# KiCad board P5.kicad_pcb
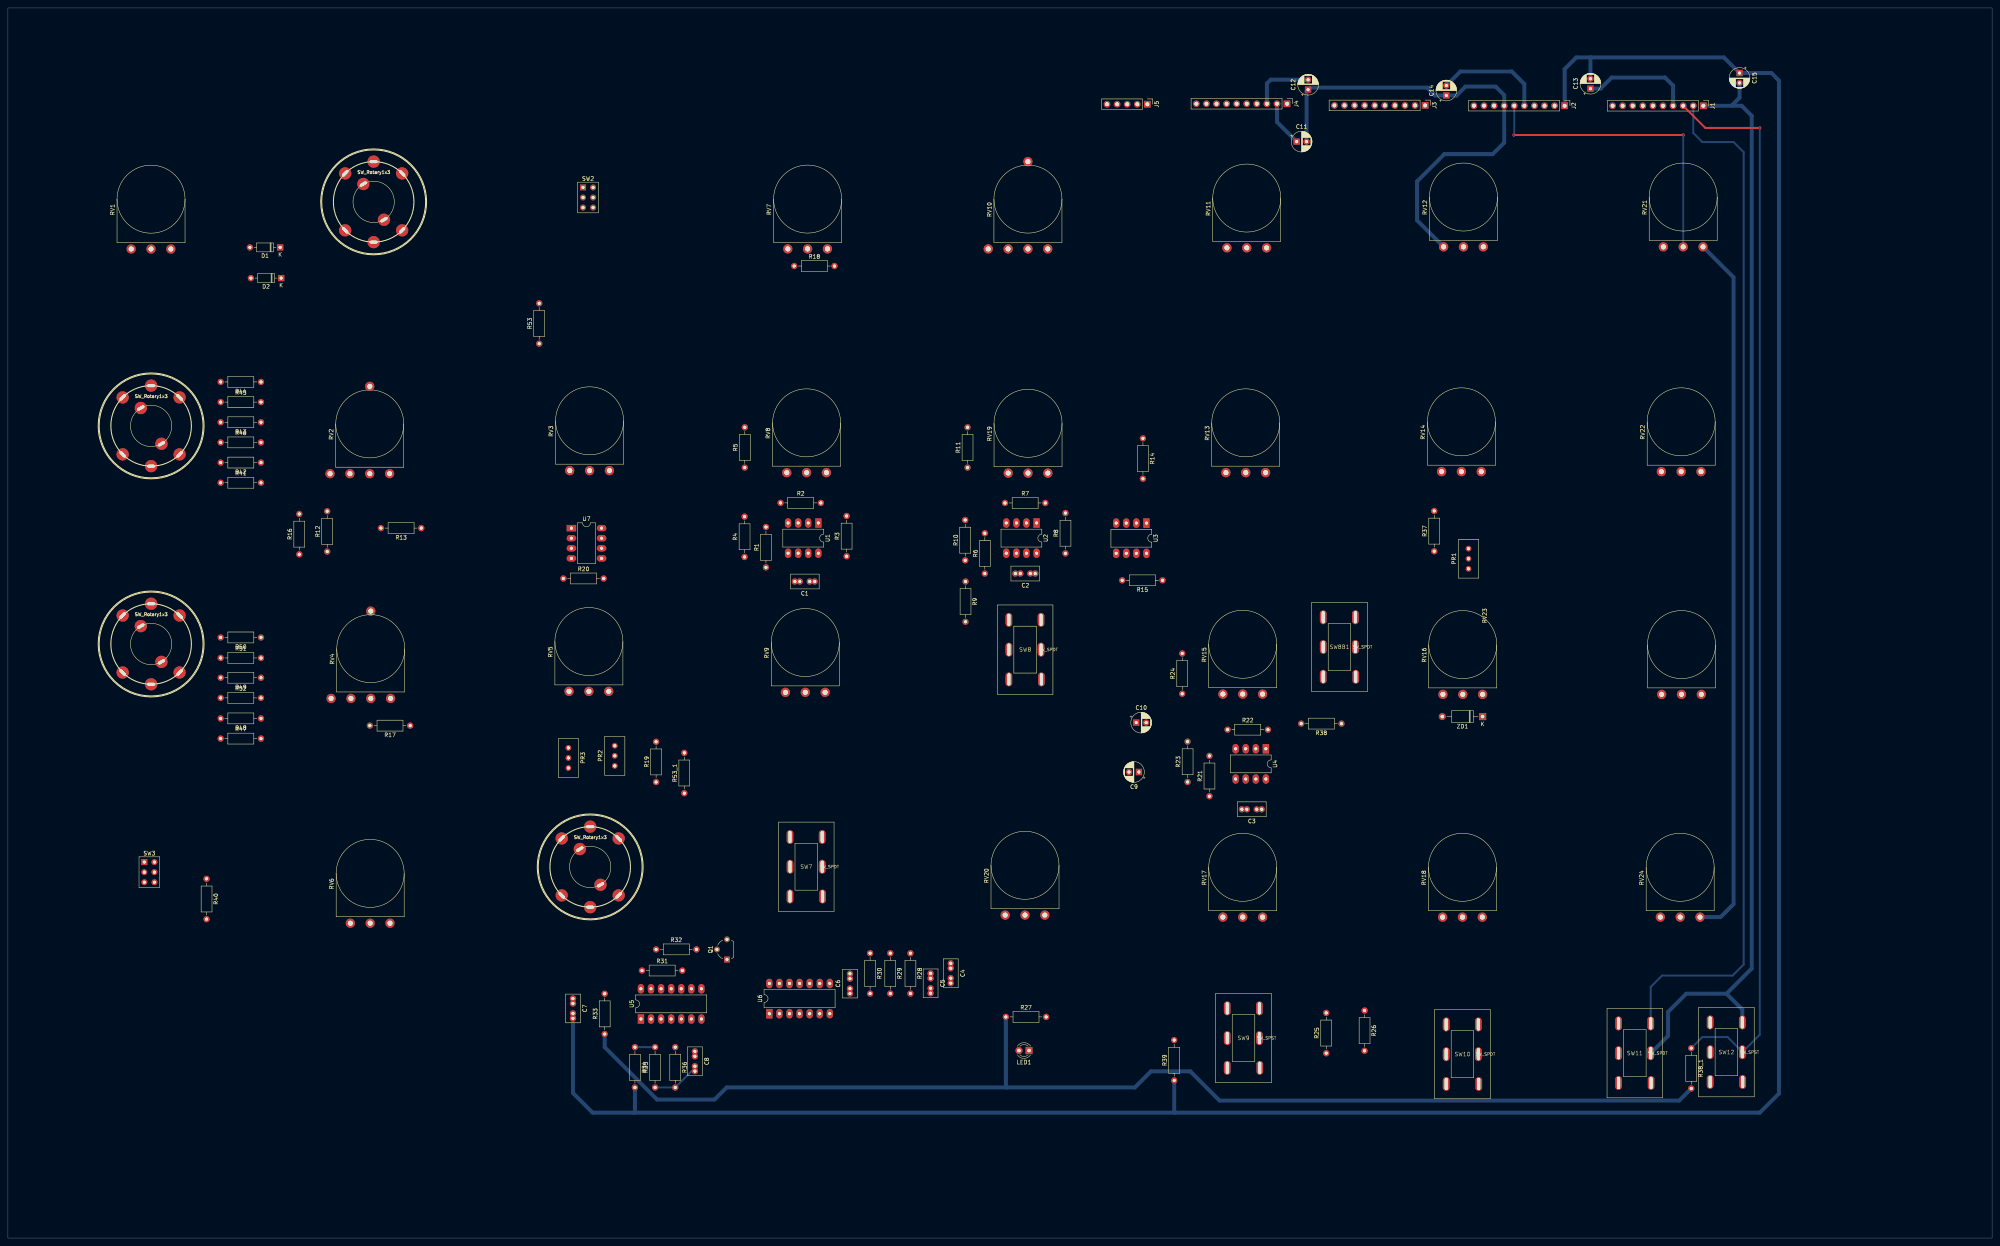
[diagram p0: board, top side]
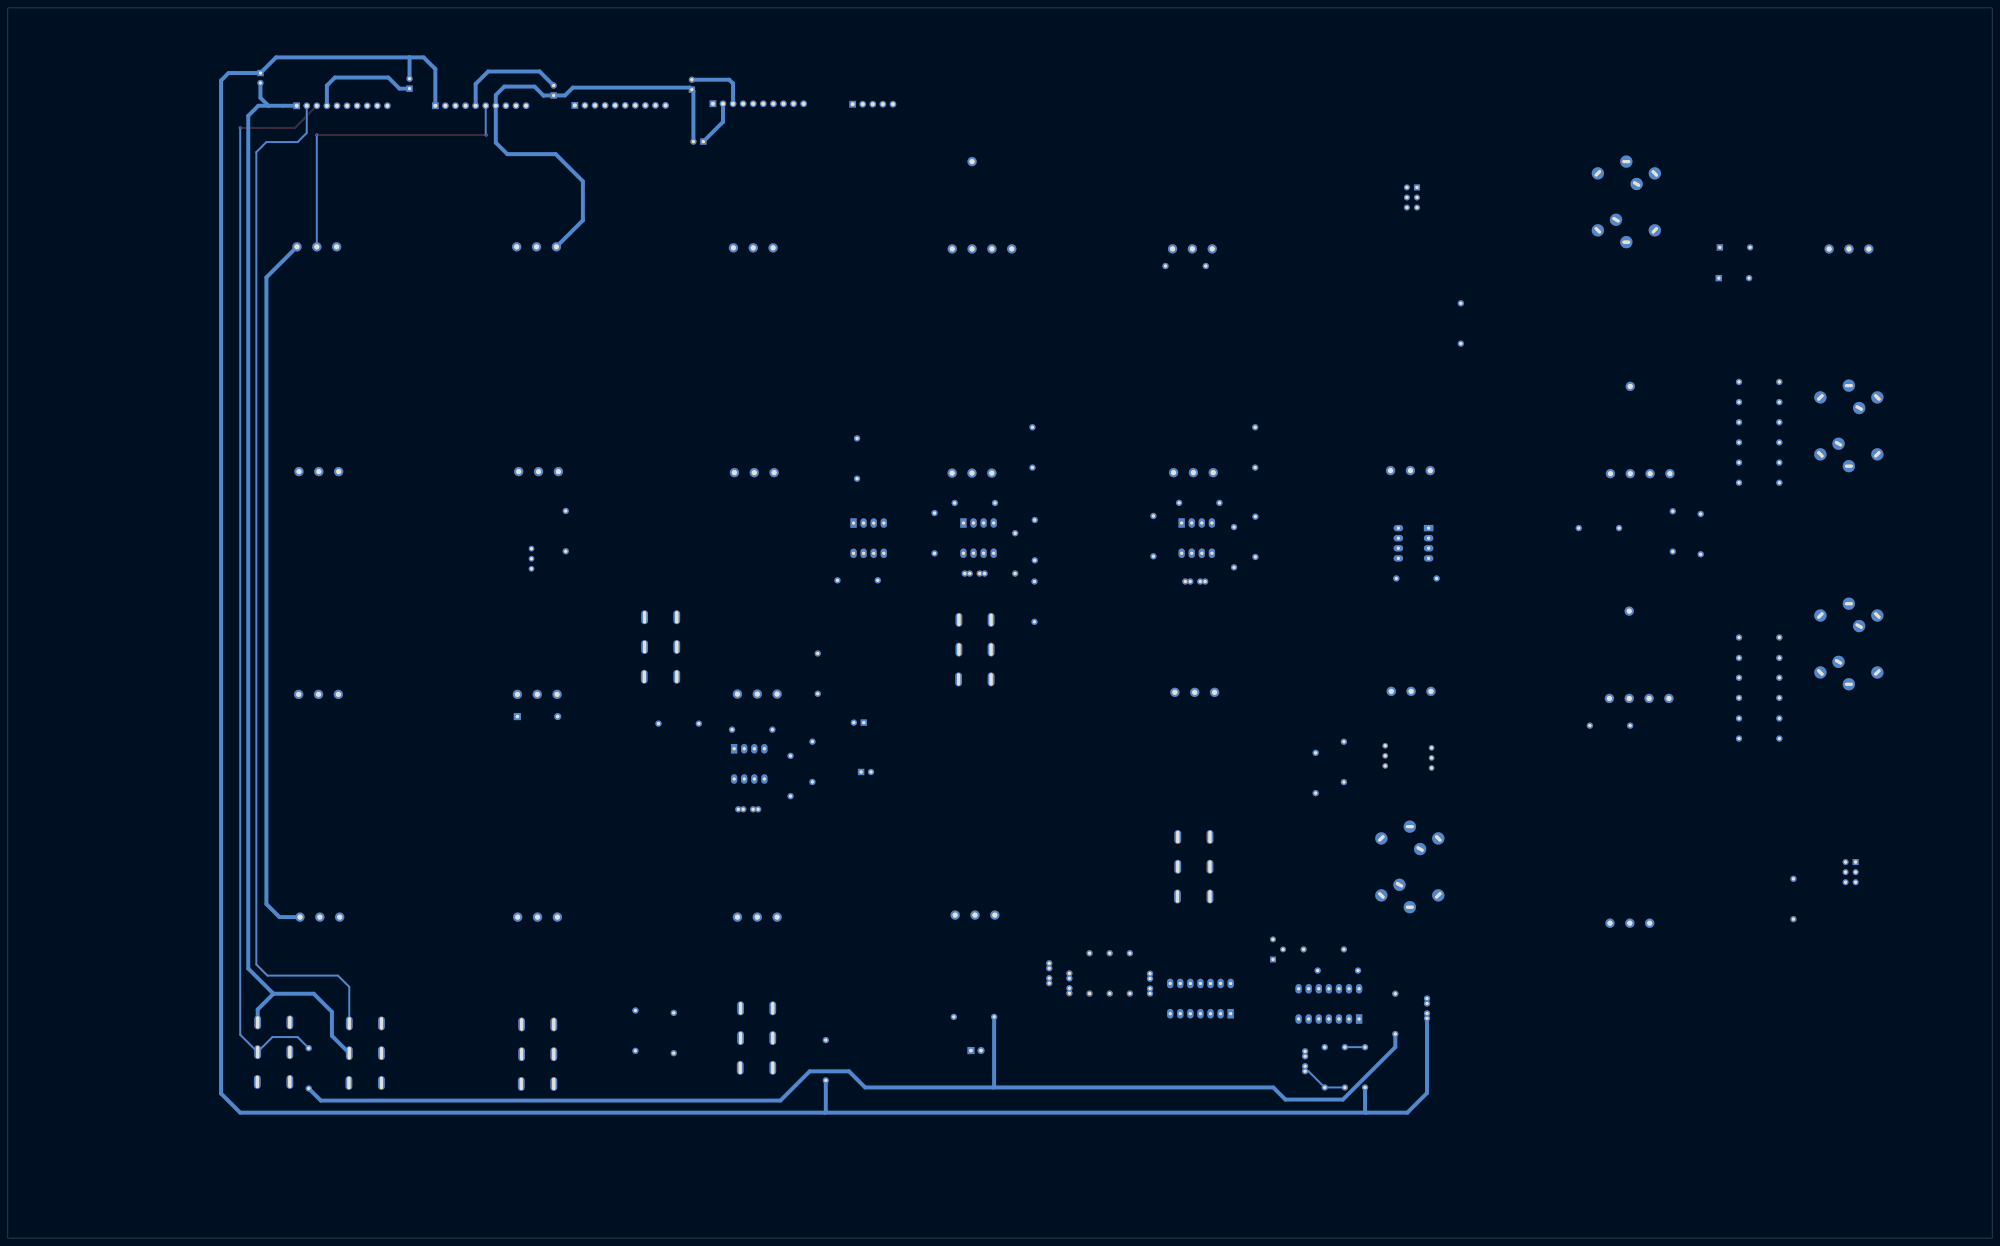
[diagram p1: board, bottom side, seen from below]

Outline 500 x 310 mm; copper layers: Top, Bottom (plane). Coordinates in mm from the lower left corner of the outline.
Outline path: 0,310 0,0 500,0 500,310 0,310

## Placement (name value [footprint] x y rotation side)
C1  150nF  [C_Rect_L7.0mm_W3.5mm_P2.50mm_P5.00mm]  203.3 165.46 180 top
C2  150nF  [C_Rect_L7.0mm_W3.5mm_P2.50mm_P5.00mm]  258.88 167.47 180 top
C3  150nF  [C_Rect_L7.0mm_W3.5mm_P2.50mm_P5.00mm]  315.95 108.05 180 top
C4  10nF  [C_Rect_L7.0mm_W3.5mm_P2.50mm_P5.00mm]  237.59 69.24 270 top
C5  330nF  [C_Rect_L7.0mm_W3.5mm_P2.50mm_P5.00mm]  232.51 66.7 270 top
C6  10uF  [C_Rect_L7.0mm_W3.5mm_P2.50mm_P5.00mm]  212.19 61.62 90 top
C7  10uF  [C_Rect_L7.0mm_W3.5mm_P2.50mm_P5.00mm]  142.39 60.37 270 top
C8  1nF  [C_Rect_L7.0mm_W3.5mm_P2.50mm_P5.00mm]  173.11 47.05 270 top
C9  10uF  [CP_Radial_D5.0mm_P2.50mm]  285 117.45 180 top
C10  10uF  [CP_Radial_D5.0mm_P2.50mm]  284.33 129.9 0 top
C11  10uF  [CP_Radial_D5.0mm_P2.50mm]  324.76 276.31 0 top
C12  10uF  [CP_Radial_D5.0mm_P2.50mm]  327.64 289.41 90 top
C13  10uF  [CP_Radial_D5.0mm_P2.50mm]  398.8 289.66 90 top
C14  10uF  [CP_Radial_D5.0mm_P2.50mm]  362.47 287.94 90 top
C15  10uF  [CP_Radial_D5.0mm_P2.50mm]  436.37 293.59 270 top
D1  1N4148  [D_DO-35_SOD27_P7.62mm_Horizontal]  68.6 249.66 180 top
D2  1N4148  [D_DO-35_SOD27_P7.62mm_Horizontal]  68.85 241.91 180 top
J1  Conn_01x10  [PinHeader_1x10_P2.54mm_Vertical]  427.24 285.35 270 top
J2  Conn_01x10  [PinHeader_1x10_P2.54mm_Vertical]  392.29 285.36 270 top
J3  Conn_01x10  [PinHeader_1x10_P2.54mm_Vertical]  357.13 285.44 270 top
J4  Conn_01x10  [PinHeader_1x10_P2.54mm_Vertical]  322.34 285.85 270 top
J5  Conn_01x05  [PinHeader_1x05_P2.54mm_Vertical]  287.13 285.74 270 top
LED1  LED  [LED_D3.0mm]  257.32 47.26 180 top
PR1  10k  [Potentiometer_Bourns_3296W_Vertical]  368.06 173.74 90 top
PR2  100k  [Potentiometer_Bourns_3296W_Vertical]  152.92 124.07 90 top
PR3  100k  [Potentiometer_Bourns_3296W_Vertical]  141.24 118.46 270 top
Q1  BC1  [TO-92L_Wide]  181.21 70.2 90 top
R1  47K  [R_Axial_DIN0207_L6.3mm_D2.5mm_P10.16mm_Horizontal]  191.02 169.01 90 top
R2  100k  [R_Axial_DIN0207_L6.3mm_D2.5mm_P10.16mm_Horizontal]  194.7 185.27 0 top
R3  10k  [R_Axial_DIN0207_L6.3mm_D2.5mm_P10.16mm_Horizontal]  211.34 171.81 90 top
R4  56K  [R_Axial_DIN0207_L6.3mm_D2.5mm_P10.16mm_Horizontal]  185.63 171.64 90 top
R5  100R  [R_Axial_DIN0207_L6.3mm_D2.5mm_P10.16mm_Horizontal]  185.69 194.16 90 top
R6  47K  [R_Axial_DIN0207_L6.3mm_D2.5mm_P10.16mm_Horizontal]  246.18 167.47 90 top
R7  100k  [R_Axial_DIN0207_L6.3mm_D2.5mm_P10.16mm_Horizontal]  251.26 185.25 0 top
R8  22k  [R_Axial_DIN0207_L6.3mm_D2.5mm_P10.16mm_Horizontal]  266.5 172.55 90 top
R9  10k  [R_Axial_DIN0207_L6.3mm_D2.5mm_P10.16mm_Horizontal]  241.32 165.46 270 top
R10  270k  [R_Axial_DIN0207_L6.3mm_D2.5mm_P10.16mm_Horizontal]  241.24 170.79 90 top
R11  100R  [R_Axial_DIN0207_L6.3mm_D2.5mm_P10.16mm_Horizontal]  241.82 194.16 90 top
R12  56k  [R_Axial_DIN0207_L6.3mm_D2.5mm_P10.16mm_Horizontal]  80.45 173 90 top
R13  22k  [R_Axial_DIN0207_L6.3mm_D2.5mm_P10.16mm_Horizontal]  104.16 178.92 180 top
R14  22k  [R_Axial_DIN0207_L6.3mm_D2.5mm_P10.16mm_Horizontal]  286.02 201.53 270 top
R15  3k9  [R_Axial_DIN0207_L6.3mm_D2.5mm_P10.16mm_Horizontal]  290.96 165.75 180 top
R16  56k  [R_Axial_DIN0207_L6.3mm_D2.5mm_P10.16mm_Horizontal]  73.42 172.32 90 top
R17  22k  [R_Axial_DIN0207_L6.3mm_D2.5mm_P10.16mm_Horizontal]  101.36 129.14 180 top
R18  270k  [R_Axial_DIN0207_L6.3mm_D2.5mm_P10.16mm_Horizontal]  198.14 244.96 0 top
R19  100k  [R_Axial_DIN0207_L6.3mm_D2.5mm_P10.16mm_Horizontal]  163.34 114.91 90 top
R20  10k  [R_Axial_DIN0207_L6.3mm_D2.5mm_P10.16mm_Horizontal]  139.97 166.22 0 top
R21  47K  [R_Axial_DIN0207_L6.3mm_D2.5mm_P10.16mm_Horizontal]  302.78 111.36 90 top
R22  100k  [R_Axial_DIN0207_L6.3mm_D2.5mm_P10.16mm_Horizontal]  307.36 128.12 0 top
R23  270k  [R_Axial_DIN0207_L6.3mm_D2.5mm_P10.16mm_Horizontal]  297.27 114.94 90 top
R24  100R  [R_Axial_DIN0207_L6.3mm_D2.5mm_P10.16mm_Horizontal]  295.93 137.17 90 top
R25  47R  [R_Axial_DIN0207_L6.3mm_D2.5mm_P10.16mm_Horizontal]  332.21 46.59 90 top
R26  47R  [R_Axial_DIN0207_L6.3mm_D2.5mm_P10.16mm_Horizontal]  341.87 57.35 270 top
R27  1k5  [R_Axial_DIN0207_L6.3mm_D2.5mm_P10.16mm_Horizontal]  251.48 55.73 0 top
R28  1k  [R_Axial_DIN0207_L6.3mm_D2.5mm_P10.16mm_Horizontal]  227.43 71.78 270 top
R29  100k  [R_Axial_DIN0207_L6.3mm_D2.5mm_P10.16mm_Horizontal]  222.35 71.78 270 top
R30  10k  [R_Axial_DIN0207_L6.3mm_D2.5mm_P10.16mm_Horizontal]  217.27 71.78 270 top
R31  4k7  [R_Axial_DIN0207_L6.3mm_D2.5mm_P10.16mm_Horizontal]  159.78 67.41 0 top
R32  22k  [R_Axial_DIN0207_L6.3mm_D2.5mm_P10.16mm_Horizontal]  163.34 72.75 0 top
R33  100R  [R_Axial_DIN0207_L6.3mm_D2.5mm_P10.16mm_Horizontal]  150.38 51.41 90 top
R34  2M2  [R_Axial_DIN0207_L6.3mm_D2.5mm_P10.16mm_Horizontal]  158 48.11 270 top
R35  150k  [R_Axial_DIN0207_L6.3mm_D2.5mm_P10.16mm_Horizontal]  163.08 37.95 90 top
R36  12k  [R_Axial_DIN0207_L6.3mm_D2.5mm_P10.16mm_Horizontal]  168.16 48.11 270 top
R37  6k8  [R_Axial_DIN0207_L6.3mm_D2.5mm_P10.16mm_Horizontal]  359.43 173.08 90 top
R38  10k  [R_Axial_DIN0207_L6.3mm_D2.5mm_P10.16mm_Horizontal]  336.06 129.64 180 top
R38_1  100k  [R_Axial_DIN0207_L6.3mm_D2.5mm_P10.16mm_Horizontal]  424.2 47.86 270 top
R39  47k  [R_Axial_DIN0207_L6.3mm_D2.5mm_P10.16mm_Horizontal]  293.89 39.73 90 top
R40  100k  [R_Axial_DIN0207_L6.3mm_D2.5mm_P10.16mm_Horizontal]  50.05 90.53 270 top
R41  100k  [R_Axial_DIN0207_L6.3mm_D2.5mm_P10.16mm_Horizontal]  53.61 190.35 0 top
R42  100k  [R_Axial_DIN0207_L6.3mm_D2.5mm_P10.16mm_Horizontal]  63.77 195.43 180 top
R43  100k  [R_Axial_DIN0207_L6.3mm_D2.5mm_P10.16mm_Horizontal]  63.77 205.59 180 top
R44  100k  [R_Axial_DIN0207_L6.3mm_D2.5mm_P10.16mm_Horizontal]  63.77 215.75 180 top
R45  100k  [R_Axial_DIN0207_L6.3mm_D2.5mm_P10.16mm_Horizontal]  53.61 210.67 0 top
R46  100k  [R_Axial_DIN0207_L6.3mm_D2.5mm_P10.16mm_Horizontal]  53.61 200.51 0 top
R47  100k  [R_Axial_DIN0207_L6.3mm_D2.5mm_P10.16mm_Horizontal]  53.61 125.87 0 top
R48  100k  [R_Axial_DIN0207_L6.3mm_D2.5mm_P10.16mm_Horizontal]  63.77 130.95 180 top
R49  100k  [R_Axial_DIN0207_L6.3mm_D2.5mm_P10.16mm_Horizontal]  63.77 141.2 180 top
R50  100k  [R_Axial_DIN0207_L6.3mm_D2.5mm_P10.16mm_Horizontal]  63.77 151.36 180 top
R51  100k  [R_Axial_DIN0207_L6.3mm_D2.5mm_P10.16mm_Horizontal]  53.61 146.19 0 top
R52  100k  [R_Axial_DIN0207_L6.3mm_D2.5mm_P10.16mm_Horizontal]  53.61 136.12 0 top
R53  47k/47R  [R_Axial_DIN0207_L6.3mm_D2.5mm_P10.16mm_Horizontal]  133.87 225.4 90 top
R53_1  100k  [R_Axial_DIN0207_L6.3mm_D2.5mm_P10.16mm_Horizontal]  170.45 112.12 90 top
RV1  10K  [Potentiometer_Omeg_PC16BU_Vertical]  41.06 249.25 90 top
RV2  22k  [Potentiometer_Omeg_PC16BU_Vertical_Tapped]  96.18 192.63 90 top
RV3  10K  [Potentiometer_Omeg_PC16BU_Vertical]  151.57 193.4 90 top
RV4  22k  [Potentiometer_Omeg_PC16BU_Vertical_Tapped]  96.43 135.99 90 top
RV5  10K  [Potentiometer_Omeg_PC16BU_Vertical]  151.4 137.77 90 top
RV6  10k  [Potentiometer_Omeg_PC16BU_Vertical]  96.28 79.35 90 top
RV7  10K  [Potentiometer_Omeg_PC16BU_Vertical]  206.52 249.28 90 top
RV8  10K  [Potentiometer_Omeg_PC16BU_Vertical]  206.26 192.89 90 top
RV9  10K  [Potentiometer_Omeg_PC16BU_Vertical]  205.93 137.52 90 top
RV10  22k  [Potentiometer_Omeg_PC16BU_Vertical_Tapped]  262.04 249.28 90 top
RV11  10k  [Potentiometer_Omeg_PC16BU_Vertical]  317.18 249.54 90 top
RV12  4k7  [Potentiometer_Omeg_PC16BU_Vertical]  371.79 249.79 90 top
RV13  10K  [Potentiometer_Omeg_PC16BU_Vertical]  316.93 192.9 90 top
RV14  4k7  [Potentiometer_Omeg_PC16BU_Vertical]  371.28 193.15 90 top
RV15  10K  [Potentiometer_Omeg_PC16BU_Vertical]  316.17 137.09 90 top
RV16  10k  [Potentiometer_Omeg_PC16BU_Vertical]  371.62 137.01 90 top
RV17  10K  [Potentiometer_Omeg_PC16BU_Vertical]  316.17 80.88 90 top
RV18  4k7  [Potentiometer_Omeg_PC16BU_Vertical]  371.54 80.88 90 top
RV19  10K  [Potentiometer_Omeg_PC16BU_Vertical]  262.06 192.78 90 top
RV20  10K  [Potentiometer_Omeg_PC16BU_Vertical]  261.3 81.39 90 top
RV21  4k7  [Potentiometer_Omeg_PC16BU_Vertical]  427.16 249.79 90 top
RV22  4k7  [Potentiometer_Omeg_PC16BU_Vertical]  426.66 193.15 90 top
RV23  10k  [Potentiometer_Omeg_PC16BU_Vertical]  426.74 137.01 90 top
RV24  4k7  [Potentiometer_Omeg_PC16BU_Vertical]  426.4 80.88 90 top
SW1  SW_Rotary1x3  [SR2612F-0304-18R0B-D8-N]  92.16 261.13 0 top
SW2  SW_SPDT  [SW_NKK_G1xJP]  144.92 264.77 0 top
SW3  SW_SPDT  [SW_NKK_G1xJP]  34.37 94.75 0 top
SW4  SW_Rotary1x3  [SR2612F-0304-18R0B-D8-N]  36.08 149.71 0 top
SW5  SW_Rotary1x3  [SR2612F-0304-18R0B-D8-N]  36.08 204.67 0 top
SW6  SW_Rotary1x3  [SR2612F-0304-18R0B-D8-N]  146.73 93.53 0 top
SW7  SW_SPDT  [11-SS-22-701C]  201.18 93.58 0 top
SW8  SW_SPDT  [11-SS-22-701C]  256.34 148.29 0 top
SW8B1  SW_SPDT  [11-SS-22-701C]  335.55 148.95 0 top
SW9  SW_SPST  [11-SS-22-701C]  311.36 50.4 0 top
SW10  SW_SPDT  [11-SS-22-701C]  366.54 46.33 0 top
SW11  SW_SPDT  [11-SS-22-701C]  409.97 46.59 0 top
SW12  SW_SPST  [11-SS-22-701C]  433.05 46.84 0 top
U1  TL072  [DIP-8_W7.62mm_LongPads]  204.22 180.21 270 top
U2  TL072  [DIP-8_W7.62mm_LongPads]  259.21 180.21 270 top
U3  LM741  [DIP-8_W7.62mm_LongPads]  286.91 180.18 270 top
U4  TL072  [DIP-8_W7.62mm_LongPads]  317 123.31 270 top
U5  4070  [DIP-14_W7.62mm_LongPads]  159.51 55.21 90 top
U6  4006  [DIP-14_W7.62mm_LongPads]  191.87 56.54 90 top
U7  LM741  [DIP-8_W7.62mm_LongPads]  141.99 178.91 0 top
ZD1  5V1  [D_A-405_P10.16mm_Horizontal]  371.62 131.42 180 top

## Library data of the parts
J2 = -: Label: 11-20
J3 = -: Label: 21-30
J4 = -: Label: 31-40
J5 = -: Label: 41-45
RV8 RV19 = -: Lable: Vibrato Freq
RV15 = -: Lable: FREQ

## Footprints (pads in the part's own frame, mm; a bottom-side part is the same pattern mirrored in y, then rotated)
11-SS-22-701C
  oval 1.7x3.5 hole 0.8x3.1: 1(4.01,7.5) 2(4.01,0) 3(4.1,-7.5) 4(-4.1,7.5) 5(-4.1,0) 6(-4.1,-7.5)
C_Rect_L7.0mm_W3.5mm_P2.50mm_P5.00mm
  round 1.6 hole 0.8: 1(0,0) 1(1.25,0) 2(3.75,0) 2(5,0)
CP_Radial_D5.0mm_P2.50mm
  rect 1.6x1.6 hole 0.8: 1(0,0)
  round 1.6 hole 0.8: 2(2.5,0)
D_A-405_P10.16mm_Horizontal
  rect 1.8x1.8 hole 0.9: 1(0,0)
  oval 1.8x1.8 hole 0.9: 2(10.16,0)
D_DO-35_SOD27_P7.62mm_Horizontal
  rect 1.6x1.6 hole 0.8: 1(0,0)
  oval 1.6x1.6 hole 0.8: 2(7.62,0)
DIP-8_W7.62mm_LongPads
  rect 2.4x1.6 hole 0.8: 1(0,0)
  oval 2.4x1.6 hole 0.8: 2(0,-2.54) 3(0,-5.08) 4(0,-7.62) 5(7.62,-7.62) 6(7.62,-5.08) 7(7.62,-2.54) 8(7.62,0)
DIP-14_W7.62mm_LongPads
  rect 2.4x1.6 hole 0.8: 1(0,0)
  oval 2.4x1.6 hole 0.8: 2(0,-2.54) 3(0,-5.08) 4(0,-7.62) 5(0,-10.16) 6(0,-12.7) 7(0,-15.24) 8(7.62,-15.24) 9(7.62,-12.7) 10(7.62,-10.16) 11(7.62,-7.62) 12(7.62,-5.08) 13(7.62,-2.54) 14(7.62,0)
LED_D3.0mm
  rect 1.8x1.8 hole 0.9: 1(0,0)
  round 1.8 hole 0.9: 2(2.54,0)
PinHeader_1x05_P2.54mm_Vertical
  rect 1.7x1.7 hole 1: 1(0,0)
  oval 1.7x1.7 hole 1: 2(0,-2.54) 3(0,-5.08) 4(0,-7.62) 5(0,-10.16)
PinHeader_1x10_P2.54mm_Vertical
  rect 1.7x1.7 hole 1: 1(0,0)
  oval 1.7x1.7 hole 1: 2(0,-2.54) 3(0,-5.08) 4(0,-7.62) 5(0,-10.16) 6(0,-12.7) 7(0,-15.24) 8(0,-17.78) 9(0,-20.32) 10(0,-22.86)
Potentiometer_Bourns_3296W_Vertical
  round 1.44 hole 0.8: 1(0,0) 2(-2.54,0) 3(-5.08,0)
Potentiometer_Omeg_PC16BU_Vertical
  round 2.34 hole 1.3: 1(0,0) 2(0,5) 3(0,10)
Potentiometer_Omeg_PC16BU_Vertical_Tapped
  round 2.34 hole 1.3: 1(0,0) 2(0,5) 3(0,10) 4(0,15) 4(22,5)
R_Axial_DIN0207_L6.3mm_D2.5mm_P10.16mm_Horizontal
  round 1.6 hole 0.8: 1(0,0)
  oval 1.6x1.6 hole 0.8: 2(10.16,0)
SR2612F-0304-18R0B-D8-N
  round 3.099 hole 2x0.8: 1(-7.177,7.177) 2(0,10.15) 3(7.177,7.177) 4(-2.6,4.503) 5(7.177,-7.177) 6(0,-10.15) 7(-7.177,-7.177) 8(2.6,-4.503)
SW_NKK_G1xJP
  rect 1.524x1.524 hole 0.813: 1(0,0)
  round 1.524 hole 0.813: 2(0,-2.54) 3(0,-5.08) 4(2.54,-5.08) 5(2.54,-2.54) 6(2.54,0)
TO-92L_Wide
  rect 1.5x1.5 hole 0.8: 1(0,0)
  round 1.5 hole 0.8: 2(2.54,2.54) 3(5.08,0)

## Nets
+15V: C9.1 C11.1 C13.1 J1.4 J4.2 PR2.1 R12.2 R16.2 R25.2 R27.1 R33.1 R37.2 R38_1.2 RV1.1 RV3.1 RV5.1 RV7.1 RV10.1 RV11.1 RV13.3 SW3.1 SW4.4 SW5.4 SW9.2 U3.7 U5.14 U6.14 U7.4
-15V: C10.2 C12.2 C14.2 C15.2 D2.1 J1.1 J2.5 J4.3 LED1.1 PR3.3 R14.1 R18.1 R26.2 R53.2 RV6.1 RV7.3 RV10.3 RV11.3 RV12.1 RV13.1 RV14.1 RV18.1 RV21.1 RV22.1 RV24.1 SW10.2 SW11.2 SW12.1 U3.4 U7.7
GND: C5.2 C7.2 C9.2 C10.1 C11.2 C12.1 C13.2 C14.1 C15.1 J2.1 J2.7 Q1.1 R5.2 R11.2 R24.2 R29.2 R34.2 R39.1 R41.2 R45.2 R46.2 R47.2 R51.2 R52.2 RV2.4 RV4.4 RV6.3 RV9.3 RV10.4 RV12.3 RV14.3 RV16.3 RV17.3 RV18.3 RV20.3 RV21.3 RV22.3 RV23.3 RV24.3 SW3.3 SW6.2 U1.2 U1.6 U2.2 U2.6 U3.3 U4.2 U4.6 U5.7 U6.7 U7.3 ZD1.2
VCC: C7.1 R31.1 R33.2 U5.1 U5.6
/2_ADSR_TRACK_VCA: J1.2 SW11.1
/3_ADSR_CONT_VCA: J1.3 R38_1.1 SW12.2
/5_VCF_A: J1.5 RV12.2
/6_VCF_D: J1.6 RV14.2
/7_VCF_S: J1.7 RV16.2
/8_VCF_R: J1.8 RV18.2
/9_PITCH_TRACK_VCF_ADSR: J1.9 SW10.1
/10_PITCH_TRACK_VCF: J1.10 R39.2 SW9.1
/12_VCA_D: J2.2 RV22.2
/13_VCA_S: J2.3 RV23.2
/14_VCA_R: J2.4 RV24.2
/16_VCA_A: J2.6 RV21.2
/18_NOISE_VOLUME: J2.8 RV20.2
/19_DEPTH: J2.9 RV17.2
/20_RESONANCE_CONTROL: J2.10 RV13.2
/21_VIBRATO: J3.1 RV9.2
/22_SYNC: J3.2 R40.2
/24_TRANSPOSE: J3.4 R20.2 U7.6
/25_VCO2_VOL: J3.5 RV5.2
/26_VCO1_VOL: J3.6 RV3.2
/27_VCO2_PWM_MOD: J3.7 R17.1
/28_VCO1_PWM_MOD: J3.8 R13.1
/29_MASTER_VOL: J3.9 R18.2 RV7.2
/30_VCF_ADSR_SWEEP: J3.10 RV10.2
/31_VCF_FREQ: J4.1 RV11.2
/34_NEW_NOTE: J4.4 SW2.3
/35_DIG_0V: J4.5 SW1.4 SW2.2
/36_VOICE4: J4.6 SW1.3
/37_VOICE2: J4.7 SW1.2
/38_VOICE1: J4.8 SW1.1
/39_VCO2_SAW: J4.9 R48.1
/40_VCO2_TRI: J4.10 R49.1
/41_VCO2_SQR: J5.1 R50.1
/42_VCO1_SAW: J5.2 R42.1
/43_VCO1_TRI: J5.3 R43.1
/44_VCO1_SQR: J5.4 R44.1
/45_PORTAMENTO: J5.5 RV1.2
Net-(C1-Pad1): C1.1 R1.1 SW7.1 U1.7
Net-(C1-Pad2): C1.2 R4.1 U1.5
Net-(C2-Pad1): C2.1 R6.1 R9.1 U2.7
Net-(C2-Pad2): C2.2 R10.1 U2.5
Net-(C3-Pad1): C3.1 R21.1 SW8B1.1 U4.7
Net-(C3-Pad2): C3.2 R23.1 U4.5
Net-(C4-Pad1): C4.1 R28.1 R29.1 R30.2 RV20.1
Net-(C4-Pad2): C4.2 C5.1 R28.2
Net-(C6-Pad1): C6.1 U5.10 U6.6
Net-(C6-Pad2): C6.2 R30.1
Net-(C8-Pad1): C8.1 U5.4 U6.3
Net-(C8-Pad2): C8.2 R35.1 R36.2
Net-(D1-Pad1): D1.1 D2.2
Net-(D1-Pad2): D1.2 RV1.3
Net-(LED1-Pad2): LED1.2 R27.2
Net-(PR1-Pad1): PR1.1 R37.1
Net-(PR1-Pad2): PR1.2 PR1.3 RV16.1 RV23.1 ZD1.1
Net-(PR2-Pad2): PR2.2 PR2.3 SW6.1
Net-(PR3-Pad1): PR3.1 PR3.2 SW6.3
Net-(Q1-Pad2): Q1.2 R32.2
Net-(Q1-Pad3): Q1.3 R31.2 U5.9
Net-(R1-Pad2): R1.2 R2.1 U1.3
Net-(R2-Pad2): R2.2 R3.2 RV8.1 U1.1
Net-(R3-Pad1): R3.1 SW7.3
Net-(R4-Pad2): R4.2 RV8.2
Net-(R5-Pad1): R5.1 RV8.3
Net-(R6-Pad2): R6.2 R7.1 U2.3
Net-(R7-Pad2): R7.2 R8.2 RV19.1 U2.1
Net-(R8-Pad1): R8.1 SW8.3
Net-(R9-Pad2): R9.2 SW8.1
Net-(R10-Pad2): R10.2 RV19.2
Net-(R11-Pad1): R11.1 RV19.3
Net-(R12-Pad1): R12.1 RV2.3
Net-(R13-Pad2): R13.2 RV2.2
Net-(R14-Pad2): R14.2 R15.1 SW8.2 U3.2
Net-(R15-Pad2): R15.2 RV2.1 RV4.1 U3.6
Net-(R16-Pad1): R16.1 RV4.3
Net-(R17-Pad2): R17.2 RV4.2
Net-(R19-Pad1): R19.1 SW6.4
Net-(R19-Pad2): R19.2 R20.1 R53_1.2 U7.2
Net-(R21-Pad2): R21.2 R22.1 U4.3
Net-(R22-Pad2): R22.2 R38.2 RV15.1 U4.1
Net-(R23-Pad2): R23.2 RV15.2
Net-(R24-Pad1): R24.1 RV15.3
Net-(R25-Pad1): R25.1 U1.8 U2.8 U4.8
Net-(R26-Pad1): R26.1 U1.4 U2.4 U4.4
Net-(R32-Pad1): R32.1 U5.11
Net-(R34-Pad1): R34.1 R35.2 U5.2
Net-(R36-Pad1): R36.1 U5.3 U5.5
Net-(R38-Pad1): R38.1 SW8B1.3
Net-(R40-Pad1): R40.1 SW3.2
Net-(R41-Pad1): R41.1 R42.2 SW5.1
Net-(R43-Pad2): R43.2 R46.1 SW5.2
Net-(R44-Pad2): R44.2 R45.1 SW5.3
Net-(R47-Pad1): R47.1 R48.2 SW4.1
Net-(R49-Pad2): R49.2 R52.1 SW4.2
Net-(R50-Pad2): R50.2 R51.1 SW4.3
Net-(R53-Pad1): R53.1 RV3.3 RV5.3
Net-(R53_1-Pad1): R53_1.1 RV6.2
Net-(RV9-Pad1): RV9.1 SW7.2
Net-(RV17-Pad1): RV17.1 SW8B1.2
Net-(U5-Pad8): U5.8 U6.4 U6.10
Net-(U5-Pad12): U5.12 U6.13
Net-(U5-Pad13): U5.13 U6.5 U6.9
Net-(U6-Pad1): U6.1 U6.12

Pads without a net: J3 3; SW1 5 6 7 8; SW2 1 4 5 6; SW3 4 5 6; SW4 5 6 7 8; SW5 5 6 7 8; SW6 5 6 7 8; SW7 4 5 6; SW8 4 5 6; SW8B1 4 5 6; SW9 3 4 5 6; SW10 3 4 5 6; SW11 3 4 5 6; SW12 3 4 5 6; U3 1 5 8; U6 2 8 11; U7 1 5 8

## Via types
v1: diameter 0.8, hole 0.4, Top to Bottom, 3 vias

## Routing (per net, layer and track width the routed paths; a pad name or vN(x,y) marks a point on that pad's centre or on a via; arc(x,y) is an arc through that point)
+15V: length 347.2
  Bottom w1: J1.4 419.62,290.42 419.62,290.43 417.59,292.46 404.13,292.46 401.34,289.66 C13.1 ; R27.1 251.48,38.2 251.73,37.95 ; J4.2 319.8,281.27 C11.1 ; 251.73,37.95 283.99,37.95 288.05,42.01 297.96,42.01 305.32,34.65 421.15,34.65 R38_1.2 ; 251.73,37.95 181.12,37.95 178.07,34.9 163.59,34.9 150.38,48.11 R33.1
-15V: length 503.8
  Bottom w1: 434.36,285.35 J1.1 ; 434.36,285.35 436.37,287.36 C15.2 ; 434.36,285.35 436.9,285.35 439.44,282.81 439.44,67.92 433.09,61.57 ; RV21.1 434.86,242.09 434.86,84.18 431.57,80.88 RV24.1 ; C12.2 318.24,291.91 317.26,290.93 J4.3 ; SW12.1 437.06,57.59 433.09,61.57 ; C14.2 366.01,293.98 378.98,293.98 382.13,290.83 J2.5 ; SW11.2 418.35,50.96 418.35,57 422.93,61.57 433.09,61.57
GND: length 793
  Bottom w1: 294.15,31.6 441.47,31.6 446.29,36.43 446.29,291.7 444.4,293.59 C15.1 432.42,297.54 398.8,297.54 ; 294.15,31.6 293.89,31.85 R39.1 ; 294.15,31.6 157.75,31.6 ; C13.2 398.8,297.54 ; 398.8,297.54 395.24,297.54 392.29,294.59 J2.1 ; 157.75,31.6 147.34,31.6 142.39,36.55 C7.2 ; 157.75,31.6 158,31.85 R34.2 ; RV12.3 355.11,256.48 355.11,266.3 361.97,273.15 374.16,273.15 377.05,276.05 J2.7 377.05,288.04 374.92,290.17 367.3,290.17 365.01,287.89 364.96,287.94 C14.1 359.62,287.94 357.65,289.92 328.15,289.92 327.26,289.03 C11.2
/2_ADSR_TRACK_VCA: length 261.3
  Bottom w0.5: SW11.1 413.98,63.3 416.83,66.14 434.61,66.14 437.4,68.94 437.4,273.66 434.86,276.2 426.99,276.2 424.7,278.49 J1.2
/3_ADSR_CONT_VCA: length 272
  Top w0.5: v1(441.47,279.76) 427.75,279.76 J1.3
  Bottom w0.5: v1(441.47,279.76) 441.47,51.24 SW12.2 437.06,46.93 433.34,50.65 426.99,50.65 R38_1.1
/16_VCA_A: length 78.3
  Top w0.5: v1(422.16,277.98) v1(379.49,277.98)
  Bottom w0.5: J2.6 379.59,278.08 v1(379.49,277.98) ; RV21.2 v1(422.16,277.98)
Net-(C8-Pad2): length 11.7
  Bottom w0.5: R35.1 R36.2 172.27,42.05 C8.2
Net-(R34-Pad1): length 5.1
  Bottom w0.5: R35.2 R34.1
